# KiCad board pocket-reform-keyboard-kailh-ortho.kicad_pcb (continued)
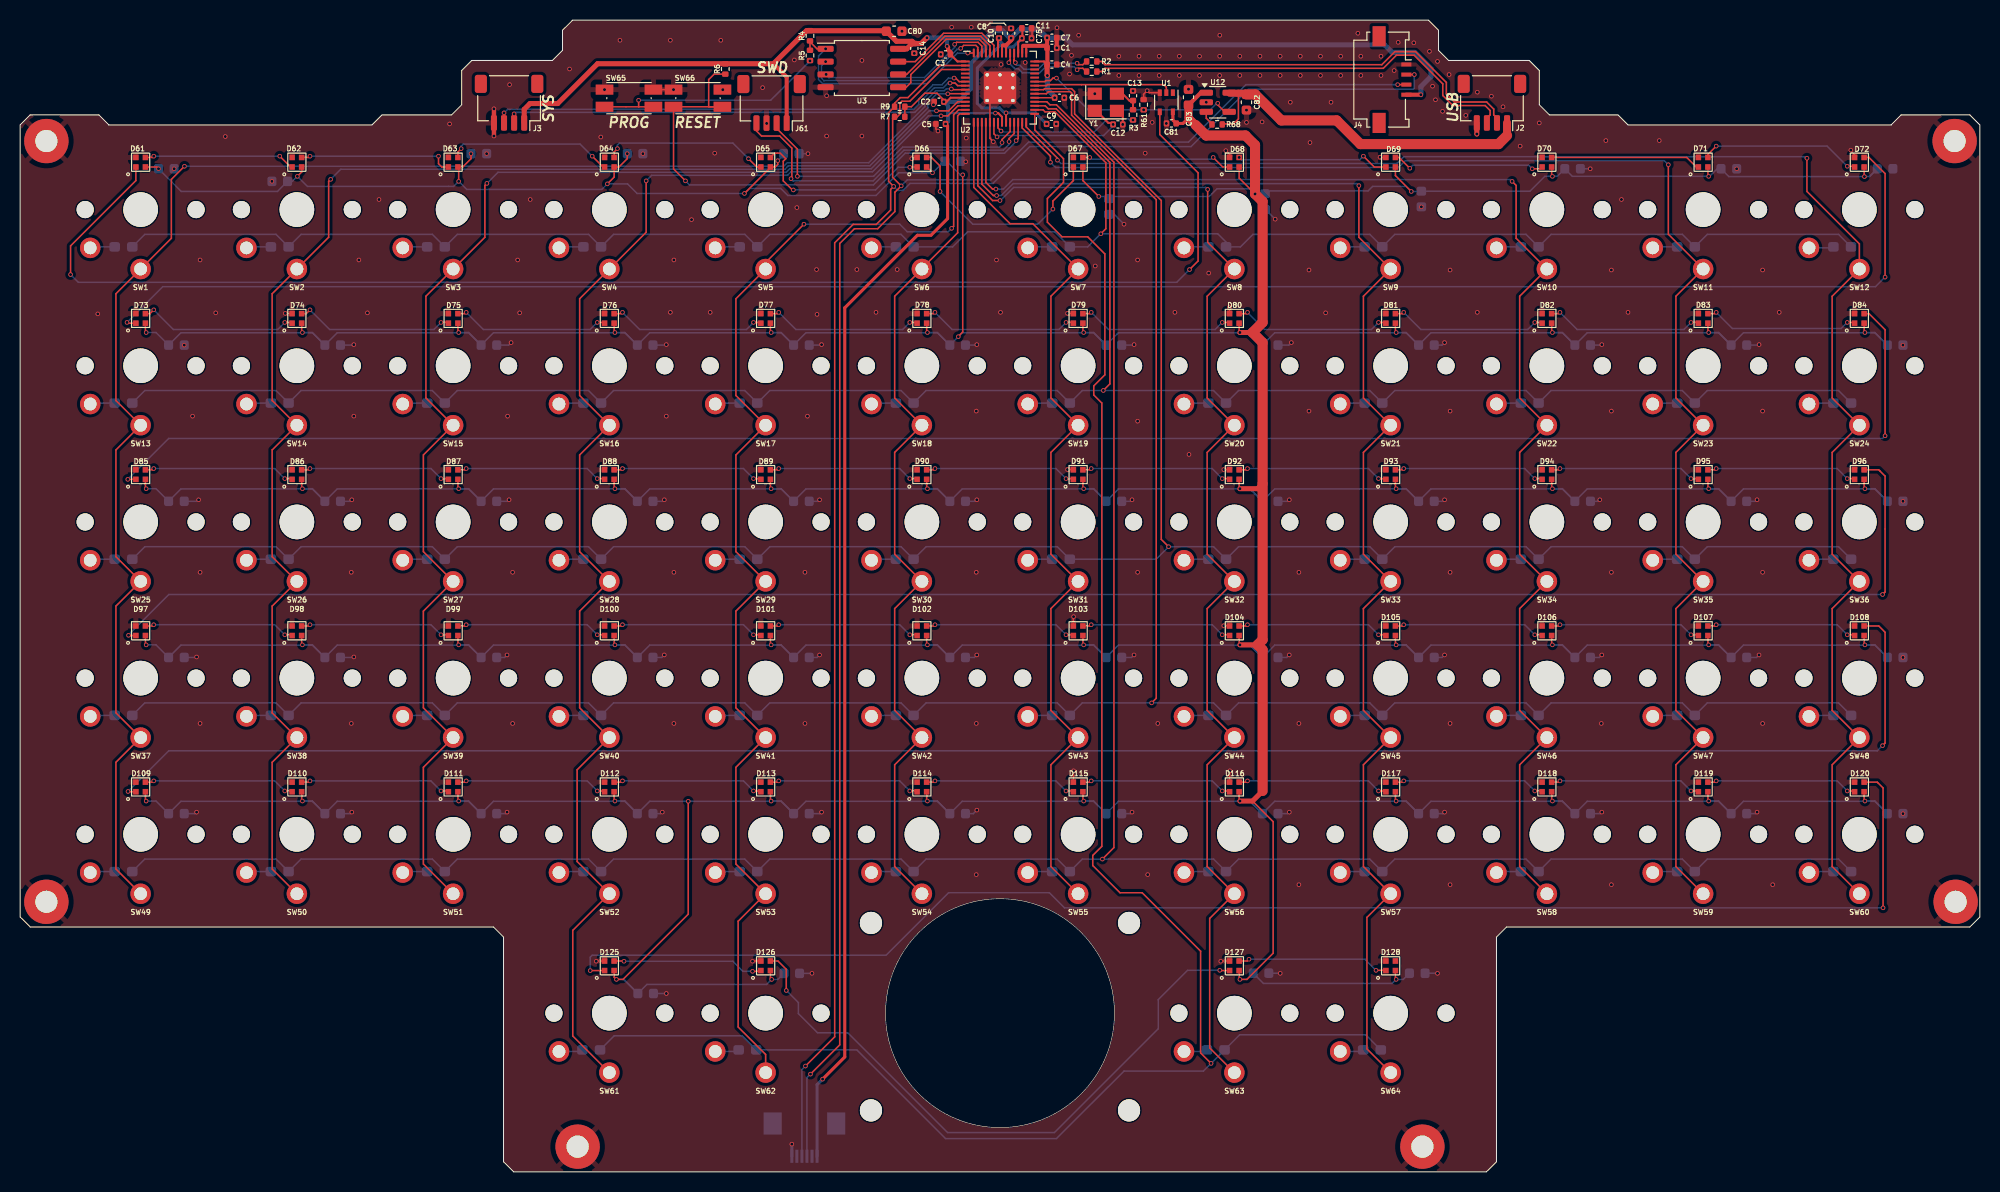
[diagram p0: board, top side]
## Routing (per net, layer and track width the routed paths; a pad name or vN(x,y) marks a point on that pad's centre or on a via; arc(x,y) is an arc through that point) (continued)
LED_PWR_EN: length 21.5
  Top w0.15: v1(111.45,105.4) 111.4,105.4 ; v1(118.8,106.05) 118.8,105.9 119.5,105.2 U12.4 ; U2.37 101.65,108.2 101.75,108.3 102.2,108.3 102.45,108.55 v1(102.8,108.55)
  Bottom w0.15: v1(102.8,108.55) 105.95,105.4 118.05,105.4 118.7,106.05 v1(118.8,106.05)
PROG: length 24.2
  Top w0.15: 58.58,105.7 61.35,105.7 ; 61.35,105.7 63.42,105.7 ; 61.35,105.7 v1(61.35,106.35) ; R5.1 v1(78.35,110.25)
  Bottom w0.15: v1(61.35,106.35) 74.45,106.35 v1(78.35,110.25)
QSPI_CS: length 23
  Top w0.15: R5.2 R4.2 78.35,112.15 79.04,111.46 v1(79.9,111.46) ; U2.56 v1(94,111.04)
  Bottom w0.15: v1(94,111.04) 92.99,111.04 89.95,108 79.6,108 79.2,108.4 79.2,110.76 v1(79.9,111.46)
QSPI_SCK: length 11.8
  Top w0.15: U3.6 87.94,108.92 91.73,112.7 95.28,112.7 96.2,111.78 U2.52
QSPI_SD0: length 12.1
  Top w0.15: U3.5 87.9,107.65 88.35,108.1 88.35,108.9 91.85,112.4 95.15,112.4 95.8,111.75 U2.53
QSPI_SD1: length 19.5
  Top w0.15: v1(93.3,111.5) 93.6,111.8 94.8,111.8 95,111.6 U2.55
  Bottom w0.15: v1(93.3,111.5) 93.2,111.4 92.92,111.4 89.82,108.3 79.72,108.3 79.5,108.52 79.5,109.79 v1(79.9,110.19)
QSPI_SD2: length 18.1
  Top w0.15: v1(92.7,111.9) 92.9,112.1 95.03,112.1 95.4,111.73 U2.54
  Bottom w0.15: v1(92.7,111.9) 92.7,111.6 89.7,108.6 80.22,108.6 79.95,108.87 v1(79.95,108.92)
QSPI_SD3: length 11.9
  Top w0.15: U2.51 96.6,111.8 95.4,113 91.6,113 88.79,110.19 U3.7
RESET: length 55.4
  Top w0.15: v1(66,98.35) 64.81,99.54 SW66.1 SW66.1 68.3,105.7 68.3,108.4 68.84,108.94 R6.2 ; U2.26 99,102.55 v1(98.8,102.35)
  Bottom w0.15: v1(66,98.35) 66.4,97.95 84.65,97.95 87.8,101.1 97.65,101.1 98.8,102.25 v1(98.8,102.35)
ROW1: length 198.8
  Top w0.15: U2.30 101.47,105.4 101.67,105.2 102.65,105.2 107.7,100.15 107.7,93.6 v1(107.2,93.1)
  Bottom w0.15: D1.1 12.37,93.04 25.38,93.04 D2.1 27.87,93.04 40.88,93.04 D3.1 43.37,93.04 56.38,93.04 D4.1 58.87,93.04 71.88,93.04 D5.1 74.37,93.04 87.38,93.04 D6.1 92.5,91.8 94,93.3 102.62,93.3 D7.1 105.9,91.8 v1(107.2,93.1) 118.8,93.1 119.62,92.28 D8.1 121.05,91.8 122.29,93.04 133.88,93.04 D9.1 136.37,93.04 149.38,93.04 D10.1 151.87,93.04 164.88,93.04 D11.1 167.37,93.04 180.38,93.04 D12.1
ROW2: length 214.5
  Top w0.15: U2.31 101.69,105.8 101.99,105.5 102.78,105.5 108.1,100.18 108.1,78.2 v1(107.45,77.55)
  Bottom w0.15: D13.1 12.37,77.54 25.38,77.54 D14.1 27.87,77.54 40.88,77.54 D15.1 43.37,77.54 56.38,77.54 D16.1 58.87,77.54 71.88,77.54 D17.1 74.37,77.54 87.38,77.54 D18.1 89.87,77.54 102.88,77.54 D19.1 105.37,77.54 118.38,77.54 D20.1 120.87,77.54 133.88,77.54 D21.1 136.37,77.54 149.38,77.54 D22.1 151.87,77.54 164.88,77.54 D23.1 167.37,77.54 180.38,77.54 D24.1
ROW3: length 235
  Top w0.15: U2.35 101.53,107.4 101.63,107.5 104.3,107.5 104.6,107.2 104.6,105 113.2,96.4 113.2,62.77 v1(113.93,62.04)
  Bottom w0.15: D25.1 12.37,62.04 25.38,62.04 D26.1 27.87,62.04 40.88,62.04 D27.1 43.37,62.04 56.38,62.04 D28.1 58.87,62.04 71.88,62.04 D29.1 74.37,62.04 87.38,62.04 D30.1 89.87,62.04 102.88,62.04 D31.1 112.68,60.8 v1(113.93,62.04) 118.38,62.04 D32.1 120.87,62.04 133.88,62.04 D33.1 136.37,62.04 149.38,62.04 D34.1 151.87,62.04 164.88,62.04 D35.1 167.37,62.04 180.38,62.04 D36.1
ROW4: length 249.8
  Top w0.15: U2.34 101.8,107 102,107.2 104.18,107.2 104.3,107.08 104.3,104.88 112.7,96.48 112.7,47 v1(112.24,46.54)
  Bottom w0.15: D37.1 12.37,46.54 25.38,46.54 D38.1 27.87,46.54 40.88,46.54 D39.1 43.37,46.54 56.38,46.54 D40.1 58.87,46.54 71.88,46.54 D41.1 74.37,46.54 87.38,46.54 D42.1 89.87,46.54 102.88,46.54 D43.1 105.37,46.54 v1(112.24,46.54) 118.38,46.54 D44.1 120.87,46.54 133.88,46.54 D45.1 136.37,46.54 149.38,46.54 D46.1 151.87,46.54 164.88,46.54 D47.1 167.37,46.54 180.38,46.54 D48.1
ROW5: length 261.8
  Top w0.15: v1(107.36,31.04) 108.5,32.18 108.5,100.2 102.8,105.9 102.15,105.9 101.85,106.2 U2.32
  Bottom w0.15: D60.1 180.38,31.04 167.37,31.04 D59.1 164.88,31.04 151.87,31.04 D58.1 149.38,31.04 136.37,31.04 D57.1 133.88,31.04 120.87,31.04 D56.1 118.38,31.04 v1(107.36,31.04) 105.37,31.04 D55.1 102.88,31.04 89.87,31.04 D54.1 87.38,31.04 74.37,31.04 D53.1 71.88,31.04 58.87,31.04 D52.1 56.38,31.04 43.37,31.04 D51.1 40.88,31.04 27.87,31.04 D50.1 25.38,31.04 12.37,31.04 D49.1
ROW6: length 194.4
  Top w0.15: v1(118.14,10.76) 117.1,11.8 117.1,21.9 111.3,27.7 109.1,27.7 106.4,30.4 106.4,31.4 107.3,32.3 107.3,76.3 106.5,77.1 106.5,78 107.6,79.1 107.6,91.1 105.9,92.8 103.35,92.8 101.9,94.25 101.9,96.6 103.5,98.2 103.5,100.55 100.65,103.4 100.65,104.99 U2.29
  Bottom w0.15: D124.1 133.47,13.6 120.97,13.6 D123.1 v1(118.14,10.76) 117.38,10 109.5,10 102.8,3.3 91.8,3.3 83,12.1 D122.1 71.62,13.5 58.92,13.5 D121.1
SCL: length 172.7
  Top w0.15: v1(78.4,9.7) 81.3,12.6 81.3,92.13 82.77,93.6 85.07,93.6 86.78,95.31 86.78,97.23 v1(87.4,97.85) 86.55,98.7 86.55,104.52 R7.1 87.01,104.71 87.26,104.96 87.26,106.05 87.47,106.25 88.26,106.25 91.4,109.4 U2.3 ; J4.3 v1(136.65,107.9)
  Bottom w0.15: J1.4 78.05,9.35 v1(78.4,9.7) ; v1(87.4,97.85) 88,98.45 96.29,98.45 100.04,102.2 115.9,102.2 121.6,107.9 v1(136.65,107.9)
SDA: length 176.8
  Top w0.15: J4.2 v1(138.3,108.9) ; U2.2 91.25,109.8 88.06,106.61 87.3,106.61 86.74,106.05 R9.1 86.15,105.12 86.15,98.3 v1(86.65,97.8) 86.35,97.5 86.35,95.45 84.93,94.03 82.63,94.03 80.8,92.2 80.8,13.4 v1(77.9,10.5)
  Bottom w0.15: J1.3 77.55,10.15 v1(77.9,10.5) ; v1(138.3,108.9) 138.3,107.55 138.2,107.45 121.85,107.45 116.15,101.75 100.16,101.75 96.5,98.1 88.29,98.1 87.59,97.4 87.05,97.4 v1(86.65,97.8)
SWC: length 30.3
  Top w0.15: v1(97.4,102.15) 97.4,102.45 98.2,103.25 U2.24 ; J61.2 75.04,103.56 77.1,101.5 v1(77.1,98.8)
  Bottom w0.15: v1(77.1,98.8) 84.65,98.8 87.55,101.7 97.15,101.7 97.4,101.95 v1(97.4,102.15)
SWD: length 33.7
  Top w0.15: U2.25 98.6,103.05 98.1,102.55 v1(98.1,102.25) ; J61.4 73.04,103.31 73.55,102.8 75.35,102.8 76.55,101.6 76.55,98.65 v1(76.47,98.57)
  Bottom w0.15: v1(98.1,102.25) 98.1,101.97 97.53,101.4 87.68,101.4 84.63,98.35 76.69,98.35 v1(76.47,98.57)
UART_RX: length 47.3
  Top w0.15: v1(92.24,108.06) 92.74,108.06 93,107.8 U2.7 ; J3.2 v1(49,105)
  Bottom w0.15: v1(49,105) 49.15,105.15 88.75,105.15 89.45,105.84 89.45,106.35 90.69,107.59 91.56,107.59 92.03,108.06 v1(92.24,108.06)
UART_TX: length 48.6
  Top w0.15: J3.3 v1(48,105.1) ; U2.6 93.15,108.2 92.8,108.55 v1(92.64,108.55)
  Bottom w0.15: v1(48,105.1) 48.35,105.45 88.63,105.45 89.15,105.97 89.15,106.47 90.56,107.89 91.43,107.89 92.1,108.55 v1(92.64,108.55)
Net-(C13-Pad1): length 3.3
  Top w0.15: 108.93,107.28 108.8,107.15 Y1.3 108.8,107.1 108.82,107.13
  Top w0.2: Y1.3 108.91,107 108.93,107.02 109.33,107.02 110.05,106.3 110.37,106.3 C13.1 R3.1
Net-(D1-A): length 2.5
  Bottom w0.15: SW1.2 7.05,91.8 D1.2
Net-(D2-A): length 2.5
  Bottom w0.15: SW2.2 22.55,91.8 D2.2
Net-(D3-A): length 2.5
  Bottom w0.15: SW3.2 38.05,91.8 D3.2
Net-(D4-A): length 2.5
  Bottom w0.15: D4.2 53.55,91.8 SW4.2
Net-(D5-A): length 2.5
  Bottom w0.15: D5.2 69.05,91.8 SW5.2
Net-(D6-A): length 2.5
  Bottom w0.15: D6.2 84.55,91.8 SW6.2
Net-(D7-A): length 2.5
  Bottom w0.15: SW7.2 100.05,91.8 D7.2
Net-(D8-A): length 2.5
  Bottom w0.15: D8.2 115.55,91.8 SW8.2
Net-(D9-A): length 2.5
  Bottom w0.15: D9.2 131.05,91.8 SW9.2
Net-(D10-A): length 2.5
  Bottom w0.15: D10.2 146.55,91.8 SW10.2
Net-(D11-A): length 2.5
  Bottom w0.15: SW11.2 162.05,91.8 D11.2
Net-(D12-A): length 2.5
  Bottom w0.15: SW12.2 179.78,91.7 D12.2
Net-(D13-A): length 2.5
  Bottom w0.15: SW13.2 7.05,76.3 D13.2
Net-(D14-A): length 2.5
  Bottom w0.15: SW14.2 22.55,76.3 D14.2
Net-(D15-A): length 2.5
  Bottom w0.15: D15.2 38.05,76.3 SW15.2
Net-(D16-A): length 2.5
  Bottom w0.15: SW16.2 53.55,76.3 D16.2
Net-(D17-A): length 2.5
  Bottom w0.15: D17.2 69.05,76.3 SW17.2
Net-(D18-A): length 2.5
  Bottom w0.15: D18.2 84.55,76.3 SW18.2
Net-(D19-A): length 2.5
  Bottom w0.15: D19.2 100.05,76.3 SW19.2
Net-(D20-A): length 2.5
  Bottom w0.15: SW20.2 115.55,76.3 D20.2
Net-(D21-A): length 2.5
  Bottom w0.15: D21.2 131.05,76.3 SW21.2
Net-(D22-A): length 2.5
  Bottom w0.15: SW22.2 146.55,76.3 D22.2
Net-(D23-A): length 2.5
  Bottom w0.15: SW23.2 162.05,76.3 D23.2
Net-(D24-A): length 2.5
  Bottom w0.15: SW24.2 177.55,76.3 D24.2
Net-(D25-A): length 2.5
  Bottom w0.15: D25.2 7.05,60.8 SW25.2
Net-(D26-A): length 2.5
  Bottom w0.15: D26.2 22.55,60.8 SW26.2
Net-(D27-A): length 2.5
  Bottom w0.15: SW27.2 38.05,60.8 D27.2
Net-(D28-A): length 2.5
  Bottom w0.15: SW28.2 53.55,60.8 D28.2
Net-(D29-A): length 2.5
  Bottom w0.15: D29.2 69.05,60.8 SW29.2
Net-(D30-A): length 2.5
  Bottom w0.15: SW30.2 84.55,60.8 D30.2
Net-(D31-A): length 2.5
  Bottom w0.15: D31.2 100.05,60.8 SW31.2
Net-(D32-A): length 2.5
  Bottom w0.15: D32.2 115.55,60.8 SW32.2
Net-(D33-A): length 2.5
  Bottom w0.15: SW33.2 131.05,60.8 D33.2
Net-(D34-A): length 2.5
  Bottom w0.15: D34.2 146.55,60.8 SW34.2
Net-(D35-A): length 2.5
  Bottom w0.15: SW35.2 162.05,60.8 D35.2
Net-(D36-A): length 2.5
  Bottom w0.15: D36.2 177.55,60.8 SW36.2
Net-(D37-A): length 2.5
  Bottom w0.15: D37.2 7.05,45.3 SW37.2
Net-(D38-A): length 2.5
  Bottom w0.15: D38.2 22.55,45.3 SW38.2
Net-(D39-A): length 2.5
  Bottom w0.15: SW39.2 38.05,45.3 D39.2
Net-(D40-A): length 2.5
  Bottom w0.15: D40.2 53.55,45.3 SW40.2
Net-(D41-A): length 2.5
  Bottom w0.15: D41.2 69.05,45.3 SW41.2
Net-(D42-A): length 2.5
  Bottom w0.15: SW42.2 84.55,45.3 D42.2
Net-(D43-A): length 2.5
  Bottom w0.15: D43.2 100.05,45.3 SW43.2
Net-(D44-A): length 2.5
  Bottom w0.15: D44.2 115.55,45.3 SW44.2
Net-(D45-A): length 2.5
  Bottom w0.15: SW45.2 131.05,45.3 D45.2
Net-(D46-A): length 2.5
  Bottom w0.15: D46.2 146.55,45.3 SW46.2
Net-(D47-A): length 2.5
  Bottom w0.15: D47.2 162.05,45.3 SW47.2
Net-(D48-A): length 2.5
  Bottom w0.15: SW48.2 177.55,45.3 D48.2
Net-(D49-A): length 2.5
  Bottom w0.15: D49.2 7.05,29.8 SW49.2
Net-(D50-A): length 2.5
  Bottom w0.15: D50.2 22.55,29.8 SW50.2
Net-(D51-A): length 2.5
  Bottom w0.15: D51.2 38.05,29.8 SW51.2
Net-(D52-A): length 2.5
  Bottom w0.15: SW52.2 53.55,29.8 D52.2
Net-(D53-A): length 2.5
  Bottom w0.15: SW53.2 69.05,29.8 D53.2
Net-(D54-A): length 2.5
  Bottom w0.15: SW54.2 84.55,29.8 D54.2
Net-(D55-A): length 2.5
  Bottom w0.15: D55.2 100.05,29.8 SW55.2
Net-(D56-A): length 2.5
  Bottom w0.15: D56.2 115.55,29.8 SW56.2
Net-(D57-A): length 2.5
  Bottom w0.15: D57.2 131.05,29.8 SW57.2
Net-(D58-A): length 2.5
  Bottom w0.15: D58.2 146.55,29.8 SW58.2
Net-(D59-A): length 2.5
  Bottom w0.15: D59.2 162.05,29.8 SW59.2
Net-(D60-A): length 2.5
  Bottom w0.15: SW60.2 177.55,29.8 D60.2
Net-(D61-DIN): length 142.8
  Top w0.15: v1(116,89.55) 116.85,90.4 116.85,99.15 113.05,102.95 U1.4 ; v1(5,89.05) 5,91.9 11.48,98.38 D61.1
  Bottom w0.15: v1(116,89.55) 114.73,88.28 5.77,88.28 v1(5,89.05)
Net-(D61-DOUT): length 15
  Top w0.15: v1(25.75,100.8) 26.83,99.73 D62.1 ; v1(13.25,100.8) 13.12,100.68 12.42,100.68
  Bottom w0.15: v1(13.25,100.8) v1(25.75,100.8)
Net-(D62-DOUT): length 15.5
  Top w0.15: D63.1 41.83,99.73 41.5,100.05 v1(41.5,100.8) ; v1(28.75,100.8) 28.62,100.68 D62.3
  Bottom w0.15: v1(28.75,100.8) v1(41.5,100.8)
Net-(D63-DOUT): length 16.5
  Top w0.15: D64.1 57.83,99.73 v1(56.75,100.8) ; D63.3 43.42,101.23 v1(43.75,101.55)
  Bottom w0.15: v1(43.75,101.55) 43.75,101.8 43.95,102 55.55,102 v1(56.75,100.8)
Net-(D64-DOUT): length 16.6
  Top w0.15: D64.3 58.92,101.23 v1(59.25,101.55) ; v1(72.25,100.55) 73.08,99.73 D65.1
  Bottom w0.15: v1(72.25,100.55) 70.7,102.1 59.45,102.1 59.25,101.9 v1(59.25,101.55)
Net-(D65-DOUT): length 18.8
  Top w0.15: v1(76.7,97.45) 76.6,97.45 75.7,98.35 75.7,100.3 75.95,100.55 75.4,101.1 74.85,101.1 D65.3 ; D66.1 88.28,99.73 v1(88.25,99.7)
  Bottom w0.15: v1(76.7,97.45) 84.85,97.45 87.1,99.7 v1(88.25,99.7)
Net-(D66-DOUT): length 22.4
  Top w0.15: v1(91.25,97.3) 91.25,99.83 90.4,100.68 D66.3 ; v1(102.45,95.55) 102.45,96.35 104.47,98.38 D67.1
  Bottom w0.15: v1(91.25,97.3) 94.5,94.05 100.95,94.05 v1(102.45,95.55)
Net-(D67-DOUT): length 15.1
  Top w0.15: D68.1 119.3,99.73 v1(118.35,100.68) ; D67.3 v1(106.1,100.68)
  Bottom w0.15: v1(118.35,100.68) 118.18,100.5 106.28,100.5 v1(106.1,100.68)
Net-(D68-DOUT): length 15.2
  Top w0.15: v1(133.25,100.8) 134.32,99.73 D69.1
  Bottom w0.15: v1(133.25,100.8) 132.9,100.45 121.15,100.45 v1(120.93,100.68)
Net-(D69-DOUT): length 15.3
  Top w0.15: v1(150,99.55) 150.8,99.55 D70.1 ; D69.3 136.78,100.68 v1(137.85,99.6)
  Bottom w0.15: v1(137.85,99.6) 138.15,99.9 149.65,99.9 v1(150,99.55)
Net-(D70-DOUT): length 14.9
  Top w0.15: D71.1 166.28,99.73 165.32,100.68 D70.3
Net-(D71-DOUT): length 16.1
  Top w0.15: v1(168.25,101.8) 167.43,100.98 D71.3 ; D72.1 181.9,99.8 v1(181.25,99.8)
  Bottom w0.15: v1(181.25,99.8) 179.25,101.8 v1(168.25,101.8)
Net-(D72-DOUT): length 190.2
  Top w0.15: D72.3 183.4,100.68 185,99.08 v1(185,88.8) ; v1(10.6,84.3) 10.67,84.23 11.48,84.23
  Bottom w0.15: v1(185,88.8) 184.05,87.85 14.15,87.85 v1(10.6,84.3)
Net-(D73-DOUT): length 15.8
  Top w0.15: 12.42,85.18 12.88,85.18 v1(13.25,85.55) ; 26.97,84.23 26.9,84.3 v1(26.25,84.3)
  Bottom w0.15: v1(13.25,85.55) 15.2,83.6 25.55,83.6 v1(26.25,84.3)
Net-(D74-DOUT): length 15.8
  Top w0.15: v1(41.75,84.3) 42.4,84.3 42.47,84.23 ; D74.3 28.38,85.18 v1(28.75,85.55)
  Bottom w0.15: v1(28.75,85.55) 30.7,83.6 41.05,83.6 v1(41.75,84.3)
Net-(D75-DOUT): length 15.6
  Top w0.15: D75.3 44.12,85.18 v1(44.25,85.3) ; 57.97,84.23 57.9,84.3 v1(57.25,84.3)
  Bottom w0.15: v1(57.25,84.3) 56.55,83.6 45.95,83.6 v1(44.25,85.3)
Net-(D76-DOUT): length 15.6
  Top w0.15: v1(59.75,85.3) 59.62,85.18 D76.3 ; v1(72.75,84.3) 73.4,84.3 73.47,84.23
  Bottom w0.15: v1(72.75,84.3) 72.05,83.6 61.45,83.6 v1(59.75,85.3)
Net-(D77-DOUT): length 15.6
  Top w0.15: 88.97,84.23 88.9,84.3 v1(88.25,84.3) ; D77.3 75.12,85.18 v1(75.25,85.3)
  Bottom w0.15: v1(75.25,85.3) 76.95,83.6 87.55,83.6 v1(88.25,84.3)
Net-(D78-DOUT): length 15.6
  Top w0.15: v1(103.75,84.3) 104.4,84.3 104.47,84.23 ; v1(90.75,85.3) 90.62,85.18 D78.3
  Bottom w0.15: v1(90.75,85.3) 92.45,83.6 103.05,83.6 v1(103.75,84.3)
Net-(D79-DOUT): length 15.6
  Top w0.15: D79.3 106.12,85.18 v1(106.25,85.3) ; 119.97,84.23 119.9,84.3 v1(119.25,84.3)
  Bottom w0.15: v1(106.25,85.3) 107.95,83.6 118.55,83.6 v1(119.25,84.3)
Net-(D80-DOUT): length 15.6
  Top w0.15: D80.3 121.62,85.18 v1(121.75,85.3) ; v1(134.75,84.3) 135.4,84.3 135.47,84.23
  Bottom w0.15: v1(121.75,85.3) 123.45,83.6 134.05,83.6 v1(134.75,84.3)
Net-(D81-DOUT): length 15.6
  Top w0.15: v1(137.25,85.3) 137.12,85.18 D81.3 ; 150.97,84.23 150.9,84.3 v1(150.25,84.3)
  Bottom w0.15: v1(137.25,85.3) 138.95,83.6 149.55,83.6 v1(150.25,84.3)
Net-(D82-DOUT): length 15.6
  Top w0.15: v1(165.75,84.3) 166.4,84.3 166.47,84.23 ; v1(152.75,85.3) 152.62,85.18 D82.3
  Bottom w0.15: v1(152.75,85.3) 154.45,83.6 165.05,83.6 v1(165.75,84.3)
Net-(D83-DOUT): length 15.5
  Top w0.15: v1(181.25,84.3) 181.9,84.3 181.97,84.23 ; v1(168.25,85.3) 168.12,85.18 D83.3
  Bottom w0.15: v1(181.25,84.3) 180.65,83.7 169.85,83.7 v1(168.25,85.3)
Net-(D84-DOUT): length 190.2
  Top w0.15: 11.48,68.73 v1(10.68,68.73) ; D84.3 183.4,85.18 185,83.58 v1(185,73.05)
  Bottom w0.15: v1(10.68,68.72) 14.73,72.78 184.73,72.78 v1(185,73.05)
Net-(D85-DOUT): length 15
  Top w0.15: 26.97,68.73 26.9,68.8 v1(26.25,68.8) ; v1(13.25,69.8) 13.12,69.68 12.42,69.68
  Bottom w0.15: v1(13.25,69.8) 25.25,69.8 v1(26.25,68.8)
Net-(D86-DOUT): length 15
  Top w0.15: 42.47,68.73 42.4,68.8 v1(41.75,68.8) ; v1(28.75,69.8) 28.62,69.68 D86.3
  Bottom w0.15: v1(28.75,69.8) 40.75,69.8 v1(41.75,68.8)
Net-(D87-DOUT): length 15
  Top w0.15: D87.3 44.12,69.68 v1(44.25,69.8) ; v1(57.25,68.8) 57.9,68.8 57.97,68.73
  Bottom w0.15: v1(57.25,68.8) 56.25,69.8 v1(44.25,69.8)
Net-(D88-DOUT): length 15
  Top w0.15: v1(72.75,68.8) 73.4,68.8 73.47,68.73 ; D88.3 59.62,69.68 v1(59.75,69.8)
  Bottom w0.15: v1(72.75,68.8) 71.75,69.8 v1(59.75,69.8)
Net-(D89-DOUT): length 15
  Top w0.15: 88.97,68.73 88.9,68.8 v1(88.25,68.8) ; v1(75.25,69.8) 75.12,69.68 D89.3
  Bottom w0.15: v1(75.25,69.8) 87.25,69.8 v1(88.25,68.8)
Net-(D90-DOUT): length 15
  Top w0.15: v1(103.75,68.8) 104.4,68.8 104.47,68.73 ; D90.3 90.62,69.68 v1(90.75,69.8)
  Bottom w0.15: v1(103.75,68.8) 102.75,69.8 v1(90.75,69.8)
Net-(D91-DOUT): length 15
  Top w0.15: D91.3 106.12,69.68 v1(106.25,69.8) ; 119.97,68.73 119.9,68.8 v1(119.25,68.8)
  Bottom w0.15: v1(119.25,68.8) 118.25,69.8 v1(106.25,69.8)
Net-(D92-DOUT): length 15
  Top w0.15: D92.3 121.62,69.68 v1(121.75,69.8) ; v1(134.75,68.8) 135.4,68.8 135.47,68.73
  Bottom w0.15: v1(121.75,69.8) 133.75,69.8 v1(134.75,68.8)
Net-(D93-DOUT): length 15
  Top w0.15: 150.97,68.73 150.9,68.8 v1(150.25,68.8) ; v1(137.25,69.8) 137.12,69.68 D93.3
  Bottom w0.15: v1(137.25,69.8) 149.25,69.8 v1(150.25,68.8)
Net-(D94-DOUT): length 15
  Top w0.15: 166.47,68.73 166.4,68.8 v1(165.75,68.8) ; v1(152.75,69.8) 152.62,69.68 D94.3
  Bottom w0.15: v1(152.75,69.8) 164.75,69.8 v1(165.75,68.8)
Net-(D95-DOUT): length 15
  Top w0.15: D95.3 168.12,69.68 v1(168.25,69.8) ; v1(181.25,68.8) 181.9,68.8 181.97,68.73
  Bottom w0.15: v1(168.25,69.8) 180.25,69.8 v1(181.25,68.8)
Net-(D96-DOUT): length 190.6
  Top w0.15: D96.3 184.38,69.68 185,69.05 185,57.55 v1(184.75,57.3) ; 11.48,53.23 10.77,53.23 v1(10.75,53.25)
  Bottom w0.15: v1(10.75,53.25) 10.75,53.3 14.75,57.3 v1(184.75,57.3)
Net-(D97-DOUT): length 15
  Top w0.15: v1(13.25,54.3) 13.12,54.18 12.42,54.18 ; 26.97,53.23 26.9,53.3 v1(26.25,53.3)
  Bottom w0.15: v1(13.25,54.3) 25.25,54.3 v1(26.25,53.3)
Net-(D98-DOUT): length 15
  Top w0.15: v1(41.75,53.3) 42.4,53.3 42.47,53.23 ; D98.3 28.62,54.18 v1(28.75,54.3)
  Bottom w0.15: v1(41.75,53.3) 40.75,54.3 v1(28.75,54.3)
Net-(D100-DIN): length 15
  Top w0.15: 57.97,53.23 57.9,53.3 v1(57.25,53.3) ; v1(44.25,54.3) 44.12,54.18 D99.3
  Bottom w0.15: v1(57.25,53.3) 56.25,54.3 v1(44.25,54.3)
Net-(D100-DOUT): length 15
  Top w0.15: 73.47,53.23 73.4,53.3 v1(72.75,53.3) ; v1(59.75,54.3) 59.62,54.18 D100.3
  Bottom w0.15: v1(72.75,53.3) 71.75,54.3 v1(59.75,54.3)
Net-(D101-DOUT): length 15
  Top w0.15: v1(75.25,54.3) 75.12,54.18 D101.3 ; 88.97,53.23 88.9,53.3 v1(88.25,53.3)
  Bottom w0.15: v1(75.25,54.3) 87.25,54.3 v1(88.25,53.3)
Net-(D102-DOUT): length 15
  Top w0.15: 104.47,53.23 104.4,53.3 v1(103.75,53.3) ; v1(90.75,54.3) 90.62,54.18 D102.3
  Bottom w0.15: v1(90.75,54.3) 102.75,54.3 v1(103.75,53.3)
Net-(D103-DOUT): length 15
  Top w0.15: v1(106.25,54.3) 106.12,54.18 D103.3 ; 119.97,53.23 119.9,53.3 v1(119.25,53.3)
  Bottom w0.15: v1(119.25,53.3) 118.25,54.3 v1(106.25,54.3)
Net-(D104-DOUT): length 15
  Top w0.15: v1(134.75,53.3) 135.4,53.3 135.47,53.23 ; v1(121.75,54.3) 121.62,54.18 D104.3
  Bottom w0.15: v1(134.75,53.3) 133.75,54.3 v1(121.75,54.3)
Net-(D105-DOUT): length 15
  Top w0.15: D105.3 137.12,54.18 v1(137.25,54.3) ; v1(150.25,53.3) 150.9,53.3 150.97,53.23
  Bottom w0.15: v1(150.25,53.3) 149.25,54.3 v1(137.25,54.3)
Net-(D106-DOUT): length 15
  Top w0.15: 166.47,53.23 166.4,53.3 v1(165.75,53.3) ; D106.3 152.62,54.18 v1(152.75,54.3)
  Bottom w0.15: v1(152.75,54.3) 164.75,54.3 v1(165.75,53.3)
Net-(D107-DOUT): length 14.8
  Top w0.15: D107.3 168.12,54.18 v1(168.25,54.3) ; v1(181.25,53.3) 181.75,53.3
  Bottom w0.15: v1(168.25,54.3) 180.25,54.3 v1(181.25,53.3)
Net-(D108-DOUT): length 190.4
  Top w0.15: v1(10.7,37.75) 10.73,37.73 11.48,37.73 ; v1(184.75,42.3) 185,42.55 185,53.55 184.38,54.18 D108.3
  Bottom w0.15: v1(184.75,42.3) 184.23,41.78 14.73,41.78 v1(10.7,37.75)
Net-(D109-DOUT): length 15
  Top w0.15: v1(26.25,37.8) 26.9,37.8 26.97,37.73 ; v1(13.25,38.8) 13.12,38.68 12.42,38.68
  Bottom w0.15: v1(13.25,38.8) 25.25,38.8 v1(26.25,37.8)
Net-(D110-DOUT): length 15
  Top w0.15: D110.3 28.62,38.68 v1(28.75,38.8) ; 42.47,37.73 42.4,37.8 v1(41.75,37.8)
  Bottom w0.15: v1(41.75,37.8) 40.75,38.8 v1(28.75,38.8)
Net-(D111-DOUT): length 15
  Top w0.15: v1(57.25,37.8) 57.9,37.8 57.97,37.73 ; v1(44.25,38.8) 44.12,38.68 D111.3
  Bottom w0.15: v1(57.25,37.8) 56.25,38.8 v1(44.25,38.8)
Net-(D112-DOUT): length 15
  Top w0.15: D112.3 59.62,38.68 v1(59.75,38.8) ; v1(72.75,37.8) 73.4,37.8 73.47,37.73
  Bottom w0.15: v1(59.75,38.8) 71.75,38.8 v1(72.75,37.8)
Net-(D113-DOUT): length 15
  Top w0.15: 88.97,37.73 88.9,37.8 v1(88.25,37.8) ; v1(75.25,38.8) 75.12,38.68 D113.3
  Bottom w0.15: v1(75.25,38.8) 87.25,38.8 v1(88.25,37.8)
Net-(D114-DOUT): length 15
  Top w0.15: D114.3 90.62,38.68 v1(90.75,38.8) ; v1(103.75,37.8) 104.4,37.8 104.47,37.73
  Bottom w0.15: v1(103.75,37.8) 102.75,38.8 v1(90.75,38.8)
Net-(D115-DOUT): length 15
  Top w0.15: v1(119.25,37.8) 119.9,37.8 119.97,37.73 ; v1(106.25,38.8) 106.12,38.68 D115.3
  Bottom w0.15: v1(106.25,38.8) 118.25,38.8 v1(119.25,37.8)
Net-(D116-DOUT): length 15
  Top w0.15: D116.3 121.62,38.68 v1(121.75,38.8) ; v1(134.75,37.8) 135.4,37.8 135.47,37.73
  Bottom w0.15: v1(134.75,37.8) 133.75,38.8 v1(121.75,38.8)
Net-(D117-DOUT): length 15
  Top w0.15: 150.97,37.73 150.9,37.8 v1(150.25,37.8) ; v1(137.25,38.8) 137.12,38.68 D117.3
  Bottom w0.15: v1(150.25,37.8) 149.25,38.8 v1(137.25,38.8)
Net-(D118-DOUT): length 15
  Top w0.15: v1(152.75,38.8) 152.62,38.68 D118.3 ; v1(165.75,37.8) 166.4,37.8 166.47,37.73
  Bottom w0.15: v1(165.75,37.8) 164.75,38.8 v1(152.75,38.8)
Net-(D119-DOUT): length 15
  Top w0.15: D119.3 168.12,38.68 v1(168.25,38.8) ; 181.97,37.73 181.9,37.8 v1(181.25,37.8)
  Bottom w0.15: v1(181.25,37.8) 180.25,38.8 v1(168.25,38.8)
Net-(D120-DOUT): length 148.3
  Top w0.15: D125.1 v1(56.55,19.98) ; v1(184.8,26.2) 184.8,38.1 184.22,38.68 D120.3
  Bottom w0.15: v1(184.8,26.2) 103.6,26.2 102.1,27.7 92.1,27.7 85.9,21.5 56.75,21.5 56.55,21.3 v1(56.55,19.98)
Net-(D121-A): length 2.4
  Bottom w0.15: D121.2 55.62,11.95 SW61.2
Net-(D122-A): length 2.4
  Bottom w0.15: D122.2 71.12,11.95 SW62.2
Net-(D123-A): length 2.3
  Bottom w0.15: SW63.2 117.57,11.95 D123.2
Net-(D124-A): length 2.3
  Bottom w0.15: SW64.2 133.07,11.95 D124.2
Net-(D125-DOUT): length 15
  Top w0.15: v1(59.9,20.9) 59.88,20.93 D125.3 ; D126.1 73.4,19.9 v1(72.65,19.9)
  Bottom w0.15: v1(72.65,19.9) 71.7,19.9 70.7,20.9 v1(59.9,20.9)
Net-(D126-DOUT): length 62.9
  Top w0.15: v1(119,20) 119.03,19.98 D127.1 ; v1(76,18) 76,20.1 75.17,20.93 D126.3
  Bottom w0.15: v1(119,20) 115.8,20 112.9,17.1 112.9,14.2 102.6,3.9 92,3.9 82.1,13.8 79.1,13.8 77.2,15.7 77.2,16.8 v1(76,18)
Net-(D127-DOUT): length 15.1
  Top w0.15: v1(121.9,21.1) 121.72,20.93 D127.3 ; D128.1 135.45,20 v1(134.5,20)
  Bottom w0.15: v1(121.9,21.1) 133.4,21.1 v1(134.5,20)
Net-(U2-XIN): length 16.2
  Top w0.15: U2.20 96.6,103.02 v1(96.91,102.71)
  Top w0.2: v1(108.42,103.95) 108.42,104 108.32,104.1 107.95,104.1 106.75,105.3 Y1.1
  Bottom w0.15: 108.42,104 108.42,103.79 107.48,102.85 97.05,102.85 v1(96.91,102.71)
Net-(U2-XOUT): length 14.7
  Top w0.15: v1(97.3,103.3) 97,103.6 U2.21
  Bottom w0.15: v1(110.39,104.39) 110.06,104.39 109.95,104.5 107.85,104.5 106.55,103.2 97.4,103.2 v1(97.3,103.3)
Net-(U12-FLG): length 1.5
  Top w0.15: R68.1 118.23,104 117.66,104.57 U12.3

## Copper pours and planes (outline as drawn; the poured copper is in the pictures)
GND on Top, Bottom, In1.Cu, In2.Cu: 195.95,-0.85 -1.05,-0.85 -1.05,115.15 195.95,115.15

## Text on the board
F.Silkscreen: PROG | RESET | SWD | SYS | USB
